# Altium PCB final.PcbDoc (part 1 of 2) (continued)
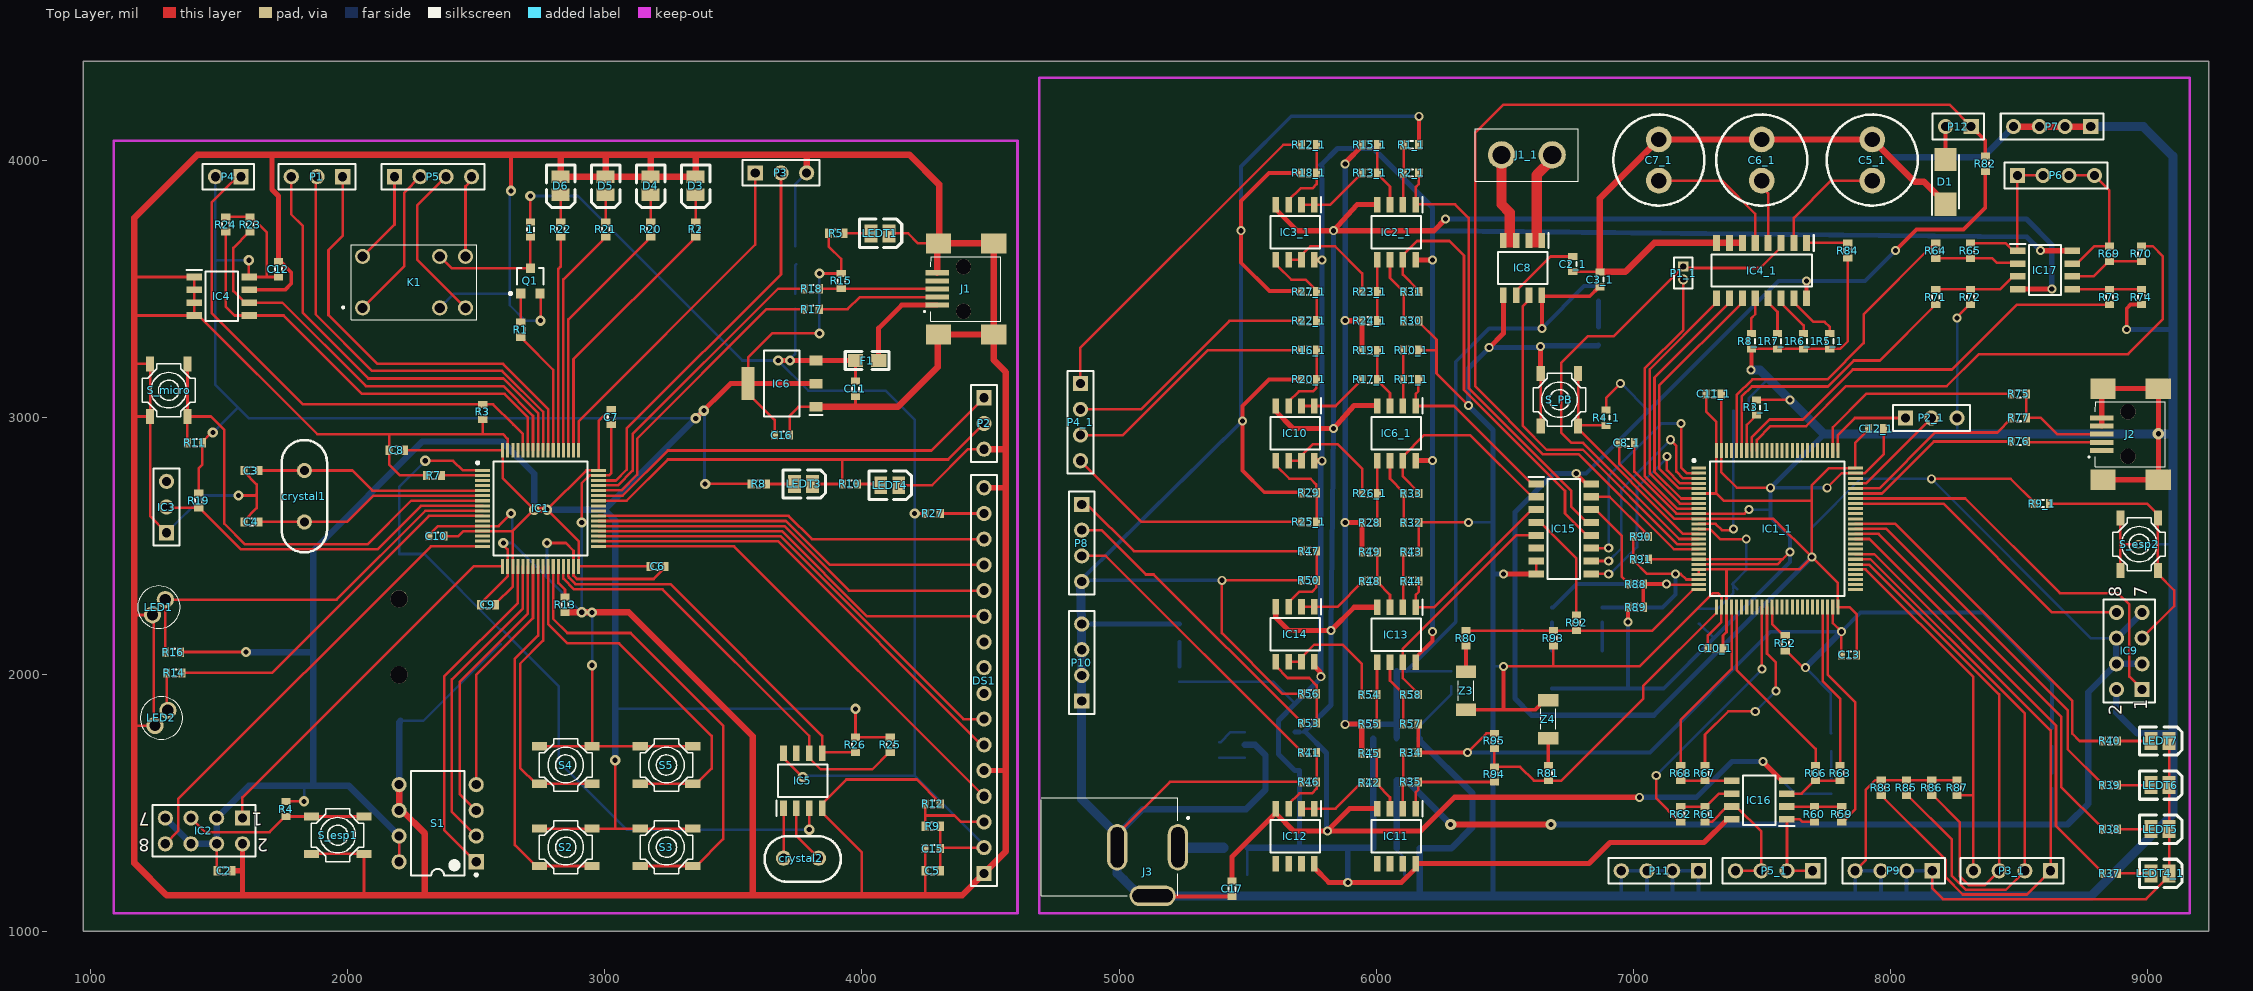
[diagram p0: Top Layer view]
## Components (designator, comment, footprint, x,y, rotation, side; value= is the part's Value field where it differs from the comment) (continued)
S_esp2 "SW-PB" button 8965,2505.94 r270 top
S_micro "SW-PB" button 1300,3105 r270 top
S_PB "SW-PB" button 6709.9,3067.89 r270 top
Z1 "diode" TZMC4V7GS08 6685,2017.97 r90 bottom
Z2 "diode" TZMC4V7GS08 6880,2017.97 r90 bottom
Z3 "diode" TZMC4V7GS08 6350,1935 r90 top
Z4 "diode" TZMC4V7GS08 6670,1825 r270 top

## Footprints (in the part's own frame and the unit in brackets; to place one, negate y for a bottom-side part, rotate by r counter-clockwise, add the part's x,y. Pads: shape width x height; smd on the part's side, far side on the other; paste and mask are expansions set on the pad)
0805 [mil]
  rect 60x50 smd: 1(-45,0) 2(45,0)
  silkscreen extent -85,-35 85,35
2894 [mm]
  rect 5x2.7 smd: 1(-8,0) 2(8.5,0)
  round 1.7 hole 1.7: 9(-3.5,0) 10(4,0)
3518 [mil]
  rect 50x70 smd: 1(35,0) 2(-35,0)
  silkscreen extent -80,-55 85,55
161320 [mm]
  oval 2.032x4.572 hole 4 slot 1.3 at 0 deg: 1(4.3,0.8) 3(-1.7,0.8)
  oval 4.572x2.032 hole 1.3 slot 4 at 0 deg: 2(1.8,-4)
  silkscreen extent -9.2,-4 5.4,5.7
0474910001 [mm]
  rect 2.3x0.5 smd: 1(-0.5,0) 2(-0.5,-0.8) 3(-0.5,-1.6) 4(-0.5,-2.4) 5(-0.5,-3.2)
  round 1.524 hole 1.524: 7(-3.1,0.6) 8(-3.1,-3.8)
  rect 2.5x2 smd: MP1(-6.1,2.9) MP2(-0.625,2.9) MP3(-0.625,-6.1) MP4(-6.1,-6.1)
  silkscreen extent -6.8,-4.8 0.8,1.6
button [mm]
  rect 1.5x0.8 smd: 1(-2.587,1.939) 1(2.613,1.939) 2(-2.587,-1.761) 2(2.613,-1.761)
  silkscreen extent -2.59,-2.51 2.61,2.69, body extent -2.59,-2.51 2.64,2.69, height 2.2
"Deep Cap gerdaloo" [mil]
  round 100 hole 60: 1(0,0) 2(160,0)
  silkscreen extent -97,-177 257,177
"deep crystal" [mm]
  round 1.5 hole 0.9: 1(-0.15,-2.465) 2(-0.15,2.615)
  silkscreen extent -2.4,-5.47 2.1,5.62, body extent -2.44,-5.46 2.16,5.54, height 3.8
"Deep Crystal small" [mm]
  round 1.5 hole 0.9: 1(-0.025,-0.025) 2(-0.025,3.425)
  silkscreen extent -2.35,-2.23 2.15,5.3, body extent -2.4,-1.96 2.2,5.01, height 0.25
DIOM5327X242N [mm]
  rect 2.3x2.15 smd: 1(-2.2,0) 2(2.2,0)
  silkscreen extent -3.27,-1.34 2.65,1.34, body extent -2.65,-1.34 2.65,1.34, height 2.42
DIP-8 [mm] "DIP; 8 Leads; Row Spacing 7.62 mm; Pitch 2.54 mm"
  rect 1.5x1.5 hole 0.9: 1(-3.81,3.81)
  round 1.5 hole 0.9: 2(-3.81,1.27) 3(-3.81,-1.27) 4(-3.81,-3.81) 5(3.81,-3.81) 6(3.81,-1.27) 7(3.81,1.27) 8(3.81,3.81)
  silkscreen extent -3.94,-5.15 2.65,5.23, body extent -3.6,-5.15 3.6,5.15, height 5.08
HDR1X2 [mm] "Connector; Header; 2 Position"
  rect 1.5x1.5 hole 0.9: 1(0,0)
  round 1.5 hole 0.9: 2(2.54,0)
  silkscreen extent -1.27,-1.27 3.81,1.27
HDR1X3 [mm] "Connector; Header; 3 Position"
  rect 1.5x1.5 hole 0.9: 1(0,0)
  round 1.5 hole 0.9: 2(2.54,0) 3(5.08,0)
  silkscreen extent -1.27,-1.27 6.35,1.27
HDR1X4 [mm] "Connector; Header; 4 Position"
  rect 1.5x1.5 hole 0.9: 1(0,0)
  round 1.5 hole 0.9: 2(2.54,0) 3(5.08,0) 4(7.62,0)
  silkscreen extent -1.27,-1.27 8.89,1.27
HDR1X16 [mm] "Connector; Header; 16 Position"
  rect 1.5x1.5 hole 0.9: 1(0,0)
  round 1.5 hole 0.9: 2(2.54,0) 3(5.08,0) 4(7.62,0) 5(10.16,0) 6(12.7,0) 7(15.24,0) 8(17.78,0) 9(20.32,0) 10(22.86,0) 11(25.4,0) 12(27.94,0) 13(30.48,0) 14(33.02,0) 15(35.56,0) 16(38.1,0)
  silkscreen extent -1.27,-1.27 39.37,1.27
HDR2X4 [mm] "Connector; Header; 4x2 Position"
  rect 1.5x1.5 hole 0.9: 1(0,0)
  round 1.5 hole 0.9: 2(0,2.54) 3(2.54,0) 4(2.54,2.54) 5(5.08,0) 6(5.08,2.54) 7(7.62,0) 8(7.62,2.54)
  silkscreen extent -1.27,-1.27 8.89,3.81
J1-0603 [mm] "Chip Resistor, Body 1.6x0.8mm, IPC High Density"
  rect 0.7x0.9 smd: 1(-0.75,0) 2(0.75,0)
  silkscreen extent -0.2,-0.35 0.2,0.35, body extent -0.85,-0.48 0.85,0.48, height 0.9
j1-0603 [mm] "Chip Resistor, Body 1.6x0.8mm, IPC High Density"
  rect 0.7x0.9 smd: 1(-0.75,0) 2(0.75,0)
  silkscreen extent -0.2,-0.35 0.2,0.35, body extent -0.85,-0.48 0.85,0.48, height 0.9
MHDR1X2 [mm] "Connector; Header; 2 Position"
  rect 1x1 hole 0.6: 1(0,0)
  round 1 hole 0.6: 2(1.27,0)
  silkscreen extent -0.9,-0.9 2.17,0.9
OP505A [mm]
  round 1.7 hole 1.11: 1(0,0) 2(1.5,-1.27)
  silkscreen extent -1.34,-2.73 2.85,1.46, body extent -1.35,-2.73 2.85,1.46, height 5.94
QFP50P1200X1200X160-64N [mm]
  rect 1.475x0.3 smd: 1(-5.738,3.75) 2(-5.738,3.25) 3(-5.738,2.75) 4(-5.738,2.25) 5(-5.738,1.75) 6(-5.738,1.25) 7(-5.738,0.75) 8(-5.738,0.25) 9(-5.738,-0.25) 10(-5.738,-0.75) 11(-5.738,-1.25) 12(-5.738,-1.75) 13(-5.738,-2.25) 14(-5.738,-2.75) 15(-5.738,-3.25) 16(-5.738,-3.75) 33(5.738,-3.75) 34(5.738,-3.25) 35(5.738,-2.75) 36(5.738,-2.25) 37(5.738,-1.75) 38(5.738,-1.25) 39(5.738,-0.75) 40(5.738,-0.25) 41(5.738,0.25) 42(5.738,0.75) 43(5.738,1.25) 44(5.738,1.75) 45(5.738,2.25) 46(5.738,2.75) 47(5.738,3.25) 48(5.738,3.75)
  rect 0.3x1.475 smd: 17(-3.75,-5.738) 18(-3.25,-5.738) 19(-2.75,-5.738) 20(-2.25,-5.738) 21(-1.75,-5.738) 22(-1.25,-5.738) 23(-0.75,-5.738) 24(-0.25,-5.738) 25(0.25,-5.738) 26(0.75,-5.738) 27(1.25,-5.738) 28(1.75,-5.738) 29(2.25,-5.738) 30(2.75,-5.738) 31(3.25,-5.738) 32(3.75,-5.738) 49(3.75,5.738) 50(3.25,5.738) 51(2.75,5.738) 52(2.25,5.738) 53(1.75,5.738) 54(1.25,5.738) 55(0.75,5.738) 56(0.25,5.738) 57(-0.25,5.738) 58(-0.75,5.738) 59(-1.25,5.738) 60(-1.75,5.738) 61(-2.25,5.738) 62(-2.75,5.738) 63(-3.25,5.738) 64(-3.75,5.738)
  silkscreen extent -6.35,-4.65 4.65,4.65, body extent -6,-6 6,6, height 1.6
QFP50P1600X1600X160-100N [mm]
  rect 1.475x0.3 smd: 1(-7.738,6) 2(-7.738,5.5) 3(-7.738,5) 4(-7.738,4.5) 5(-7.738,4) 6(-7.738,3.5) 7(-7.738,3) 8(-7.738,2.5) 9(-7.738,2) 10(-7.738,1.5) 11(-7.738,1) 12(-7.738,0.5) 13(-7.738,0) 14(-7.738,-0.5) 15(-7.738,-1) 16(-7.738,-1.5) 17(-7.738,-2) 18(-7.738,-2.5) 19(-7.738,-3) 20(-7.738,-3.5) 21(-7.738,-4) 22(-7.738,-4.5) 23(-7.738,-5) 24(-7.738,-5.5) 25(-7.738,-6) 51(7.738,-6) 52(7.738,-5.5) 53(7.738,-5) 54(7.738,-4.5) 55(7.738,-4) 56(7.738,-3.5) 57(7.738,-3) 58(7.738,-2.5) 59(7.738,-2) 60(7.738,-1.5) 61(7.738,-1) 62(7.738,-0.5) 63(7.738,0) 64(7.738,0.5) 65(7.738,1) 66(7.738,1.5) 67(7.738,2) 68(7.738,2.5) 69(7.738,3) 70(7.738,3.5) 71(7.738,4) 72(7.738,4.5) 73(7.738,5) 74(7.738,5.5) 75(7.738,6)
  rect 0.3x1.475 smd: 26(-6,-7.738) 27(-5.5,-7.738) 28(-5,-7.738) 29(-4.5,-7.738) 30(-4,-7.738) 31(-3.5,-7.738) 32(-3,-7.738) 33(-2.5,-7.738) 34(-2,-7.738) 35(-1.5,-7.738) 36(-1,-7.738) 37(-0.5,-7.738) 38(0,-7.738) 39(0.5,-7.738) 40(1,-7.738) 41(1.5,-7.738) 42(2,-7.738) 43(2.5,-7.738) 44(3,-7.738) 45(3.5,-7.738) 46(4,-7.738) 47(4.5,-7.738) 48(5,-7.738) 49(5.5,-7.738) 50(6,-7.738) 76(6,7.738) 77(5.5,7.738) 78(5,7.738) 79(4.5,7.738) 80(4,7.738) 81(3.5,7.738) 82(3,7.738) 83(2.5,7.738) 84(2,7.738) 85(1.5,7.738) 86(1,7.738) 87(0.5,7.738) 88(0,7.738) 89(-0.5,7.738) 90(-1,7.738) 91(-1.5,7.738) 92(-2,7.738) 93(-2.5,7.738) 94(-3,7.738) 95(-3.5,7.738) 96(-4,7.738) 97(-4.5,7.738) 98(-5,7.738) 99(-5.5,7.738) 100(-6,7.738)
  silkscreen extent -8.35,-6.65 6.65,6.87, body extent -8,-8 8,8, height 1.6
"smd CRYSTAL" [mm]
  rect 1.3x2.3 smd: 1(2.25,0) 2(2.25,12.4)
  silkscreen extent 0,-0.03 4.5,12.4
SOIC127P600X175-8N [mm]
  rect 1.525x0.65 smd: 1(-2.712,1.905) 2(-2.712,0.635) 3(-2.712,-0.635) 4(-2.712,-1.905) 5(2.712,-1.905) 6(2.712,-0.635) 7(2.712,0.635) 8(2.712,1.905)
  silkscreen extent -3.47,-2.45 1.6,2.58, body extent -3,-2.45 3,2.45, height 1.75
SOIC127P600X175-16N [mm]
  rect 1.55x0.7 smd: 1(-2.725,4.445) 2(-2.725,3.175) 3(-2.725,1.905) 4(-2.725,0.635) 5(-2.725,-0.635) 6(-2.725,-1.905) 7(-2.725,-3.175) 8(-2.725,-4.445) 9(2.725,-4.445) 10(2.725,-3.175) 11(2.725,-1.905) 12(2.725,-0.635) 13(2.725,0.635) 14(2.725,1.905) 15(2.725,3.175) 16(2.725,4.445)
  silkscreen extent -3.5,-4.95 1.6,5.15, body extent -3,-4.95 3,4.95, height 1.75
SOT229P700X180-4N [mm]
  rect 1.3x0.95 smd: 1(-3.35,2.29) 2(-3.35,0) 3(-3.35,-2.29)
  rect 1.3x3.25 smd: 4(3.35,0)
  silkscreen extent -4,-3.25 1.75,3.25, body extent -3.5,-3.25 3.5,3.25, height 1.8
SOT-23 [mm] "SOT-23; 3 Leads; Body 3.0 x 2.6 mm, inc. leads (LxW max)"
  rect 0.9x0.95 smd: 1(0,1.25) 2(-0.95,-1.25) 3(0.95,-1.25)
  silkscreen extent -2.07,-1.37 1.3,1.25, body extent -1.33,-0.38 1.33,1.25, height 2
TR5VMSZ [mm]
  round 1.5 hole 1: 1(-4.63,-2.54) 2(2.99,-2.54) 3(5.53,-2.54) 4(5.53,2.54) 5(2.99,2.54) 6(-4.63,2.54)
  silkscreen extent -6.65,-3.7 6.65,3.7, body extent -5.75,-3.7 6.65,3.7, height 9.1
TZMC4V7GS08 [mm]
  rect 1.25x2 smd: 1(-1.875,0) 2(1.875,0)
  silkscreen extent -1,-0.75 1,0.75
XT30PB [mm]
  round 2.7 hole 1.8: 1(0,0) 2(0,-5)
  silkscreen extent -2.6,-7.6 2.6,2.6, body extent -2.6,-7.6 2.6,2.6, height 10.66

## Part data
1 R1: "Semiconductor Resistor", LatestRevisionDate=17-Jul-2002, LatestRevisionNote="Re-released for DXP Platform.", PackageReference=AXIAL-0.5, Published=8-Jun-2000, Publisher="Altium Limited"
C1 C2 C3 C4 C4_1 C5 C6 C7 C8 C8_1 C9 C10 C10_1 C11 C11_1 C12 C12_1 C13 C14 C14_1 C15 C15_1 C16 C18: "Ceramic Chip Capacitor - Standard", PackageDocument=Mar-2001, Code_IPC="1608 [0603]", Code_JEITA=0603, ComponentLink1Description="Manufacturer Link", ComponentLink1URL=http://www.kemet.com/, ComponentLink2Description=Datasheet, ComponentLink2URL=http://www.kemet.com/kemet/web/homepage/kechome.nsf/vapubfilesname/F3102TA.pdf/$file/F3102TA.pdf, DatasheetDocument=Mar-2001, LatestRevisionDate=19-Mar-2004, LatestRevisionNote="Silkscreen size reduced.", Note="Footprint corresponds to dimensions for bulk cassette packaging. This case size has tightened tolerances.", PackageReference=0603, Published=17-Jul-2002, Publisher="Altium Limited"
C2_1 C3_1 C5_1 C6_1 C7_1 C16_1 C17: "Capacitor", LatestRevisionDate=17-Jul-2002, LatestRevisionNote="Re-released for DXP Platform.", PackageDescription="Radial Cap, Thru-Hole; 2 Leads; 0.3 in Pin Spacing", PackageReference=RAD-0.3, Published=8-Jun-2000, Publisher="Altium Limited"
crystal1 crystal1_1 crystal2: library part "deep crystal"
D1: "Diode", Manufacturer_Name=Shikues, Datasheet Link=https://datasheet.lcsc.com/szlcsc/SK-1N4007_C126233.pdf, Height=2.42mm, Manufacturer_Part_Number=1N4007
D3 D4 D5 D6: "Typical BLUE SiC LED", DatasheetVersion=16-Apr-2002, LatestRevisionDate=17-Dec-2003, LatestRevisionNote="PCB Footprint replaced.", PackageDescription="SM LED; 2 C-Bend Leads; Body 3.5 x 2.8 x 1.9 mm, inc leads (LxWxH typ)", PackageReference=3.5X2.8X1.9, PackageVersion=16-Apr-2002, Published=8-Jun-2000, Publisher="Altium Limited"
DS1: "Display", Manufacturer_Name=Displaytech, Datasheet Link=https://docs-emea.rs-online.com/webdocs/06dd/0900766b806dda14.pdf, Height=11mm, Manufacturer_Part_Number=161A-BA-BC
F1 F1_1: "Fuse", LatestRevisionDate=17-Jul-2002, LatestRevisionNote="Re-released for DXP Platform.", PackageDescription="Thru-Hole; 2 Leads", PackageReference=PIN-W2/E2.8, Published=8-Jun-2000, Publisher="Altium Limited"
H1: "Hardware", Manufacturer_Name="Keystone Electronics", Mouser Part Number=534-2894, Datasheet Link=https://www.keyelco.com/product-pdf.cfm?p=14467, Height=2.42mm, Manufacturer_Part_Number=2894, Mouser Price/Stock=https://www.mouser.co.uk/ProductDetail/Keystone-Electronics/2894?qs=u16ybLDytRb94n%2F3dXyVLQ%3D%3D
IC1: "Integrated Circuit", Manufacturer_Name=STMicroelectronics, Mouser Part Number=511-STM32F103RCT6, Arrow Part Number=STM32F103RCT6, Arrow Price/Stock=https://www.arrow.com/en/products/stm32f103rct6/stmicroelectronics, Datasheet Link=http://www.st.com/st-web-ui/static/active/en/resource/technical/document/datasheet/CD00191185.pdf, Height=1.6mm, Manufacturer_Part_Number=STM32F103RCT6, Mouser Price/Stock=https://www.mouser.co.uk/ProductDetail/STMicroelectronics/STM32F103RCT6?qs=%252BB84zevwoRA6TYzZIgOIoA%3D%3D
IC1_1: "Integrated Circuit", Manufacturer_Name=STMicroelectronics, Mouser Part Number=511-STM32F103VCT6, Arrow Part Number=STM32F103VCT6, Arrow Price/Stock=https://www.arrow.com/en/products/stm32f103vct6/stmicroelectronics, Datasheet Link=https://www.st.com/resource/en/datasheet/stm32f103rc.pdf, Height=1.6mm, Manufacturer_Part_Number=STM32F103VCT6, Mouser Price/Stock=https://www.mouser.co.uk/ProductDetail/STMicroelectronics/STM32F103VCT6?qs=%252BB84zevwoRDW1rpMEiZMCg%3D%3D
IC2 IC9: "Integrated Circuit", Manufacturer_Name=Ai-Thinker, Datasheet Link=http://wiki.ai-thinker.com/_media/esp8266/esp8266_series_modules_user_manual_v1.1.pdf, Height=2mm, Manufacturer_Part_Number=ESP-01
IC2_1 IC3_1 IC6_1 IC10 IC11 IC12 IC13 IC14 IC16 IC17: "Integrated Circuit", Manufacturer_Name="Texas Instruments", Mouser Part Number=595-LM2904D, Arrow Part Number=LM2904D, Arrow Price/Stock=https://www.arrow.com/en/products/lm2904d/texas-instruments, Datasheet Link=http://www.ti.com/lit/ds/symlink/lm2904.pdf, Height=1.75mm, Manufacturer_Part_Number=LM2904D, Mouser Price/Stock=https://www.mouser.co.uk/ProductDetail/Texas-Instruments/LM2904D?qs=3pnr37ZAbK8kLA26cC%252BYEg%3D%3D
IC3: "Integrated Circuit", Arrow Part Number=LM335AZ/NOPB, Manufacturer_Name="Texas Instruments", Mouser Part Number=926-LM335AZ/NOPB, Arrow Price/Stock=https://www.arrow.com/en/products/lm335aznopb/texas-instruments, Datasheet Link=http://www.ti.com/general/docs/suppproductinfo.tsp?distId=10&gotoUrl=http%3A%2F%2Fwww.ti.com%2Flit%2Fgpn%2Flm135, Height=3.25mm, Manufacturer_Part_Number=LM335AZ/NOPB, Mouser Price/Stock=https://www.mouser.co.uk/ProductDetail/Texas-Instruments/LM335AZ-NOPB?qs=X1J7HmVL2ZHLFIuAm4Dkiw%3D%3D
IC4: "Integrated Circuit", Manufacturer_Name=Microchip, Mouser Part Number=556-AT24C04C-SSHM-T, Arrow Part Number=AT24C04C-SSHM-T, Arrow Price/Stock=https://www.arrow.com/en/products/at24c04c-sshm-t/microchip-technology, Datasheet Link=https://datasheet.lcsc.com/szlcsc/Microchip-Tech-AT24C04C-SSHM-T_C6205.pdf, Height=1.75mm, Manufacturer_Part_Number=AT24C04C-SSHM-T, Mouser Price/Stock=https://www.mouser.co.uk/ProductDetail/Microchip-Technology-Atmel/AT24C04C-SSHM-T?qs=rNaVQffb%252BtcPg4SMgvVriA%3D%3D
IC4_1: "Integrated Circuit", Manufacturer_Name=Nexperia, Mouser Part Number=N/A, Datasheet Link=https://assets.nexperia.com/documents/data-sheet/74HC_HCT4051.pdf, Height=1.75mm, Manufacturer_Part_Number=74HC4051D, Mouser Price/Stock=https://www.mouser.com/Search/Refine.aspx?Keyword=N%2FA
IC5: "Integrated Circuit", Manufacturer_Name="Maxim Integrated", Mouser Part Number=700-DS1307Z, Datasheet Link=http://datasheets.maximintegrated.com/en/ds/DS1307.pdf, Height=1.75mm, Manufacturer_Part_Number=DS1307Z+, Mouser Price/Stock=https://www.mouser.co.uk/ProductDetail/Maxim-Integrated/DS1307Z%2b?qs=0Y9aZN%252BMVCUvNDMAh9aCtw%3D%3D
IC5_1 IC6 IC7: library part AMS1117-1.5, "Integrated Circuit", Manufacturer_Name=ams, Datasheet Link=http://www.advanced-monolithic.com/pdf/ds1117.pdf, Height=1.8mm, Manufacturer_Part_Number=AMS1117-1.5
IC8: "Integrated Circuit", Manufacturer_Name="Sharp Microelectronics", Datasheet Link=https://www.allegromicro.com/~/media/Files/Datasheets/ACS712-Datasheet.ashx, Height=1.75mm, Manufacturer_Part_Number=ACS712ELCTR-05B-T
IC15: "Integrated Circuit", Manufacturer_Name=Toshiba, Mouser Part Number=757-74HC4053D, Datasheet Link=http://toshiba.semicon-storage.com/info/docget.jsp?did=54976&prodName=74HC4053D, Height=1.75mm, Manufacturer_Part_Number=74HC4053D, Mouser Price/Stock=https://www.mouser.co.uk/ProductDetail/Toshiba/74HC4053D/?qs=xhbEVWpZdWclq3MrSw2ZoQ%3D%3D
IC18: "Integrated Circuit", Manufacturer_Name="Renesas Electronics", Mouser Part Number=968-ICL7660ACBAZA, Datasheet Link=https://www.renesas.com/en-us/www/doc/datasheet/icl7660s-a.pdf, Height=1.75mm, Manufacturer_Part_Number=ICL7660ACBAZA, Mouser Price/Stock=https://www.mouser.co.uk/ProductDetail/Renesas-Intersil/ICL7660ACBAZA?qs=9fLuogzTs8LeW4me0pfrFQ%3D%3D
J1 J2: library part 0474910001, "Connector", Manufacturer_Name=Molex, Arrow Part Number=0474910001, Arrow Price/Stock=https://www.arrow.com/en/products/0474910001/molex, Datasheet Link=https://www.molex.com/pdm_docs/sd/474910001_sd.pdf, Height=2.94mm, Manufacturer_Part_Number=0474910001
J1_1: "Connector", Manufacturer_Name=Amass, Datasheet Link=https://www.tme.eu/Document/4acc913878197f8c2e30d4b8cdc47230/XT30UPB%20SPEC.pdf, Height=10.7mm, Manufacturer_Part_Number=XT30PB
J3: "Connector", Manufacturer_Name=LUMBERG, Manufacturer_Part_Number="1613 20", Datasheet Link=http://www.farnell.com/datasheets/2349122.pdf, Height=7mm
K1: "Relay or Contactor", Manufacturer_Name="TIANBO Electronics", Manufacturer_Part_Number="TR5V M-S-Z", Datasheet Link=http://www.datasheetspdf.com/pdf/702912/TIANBOGANGLIANELECTRONICS/TR5V/1, Height=9mm
LED1 LED2: "LED (Multiple)", Manufacturer_Name="OPTEK TECHNOLOGY", Mouser Part Number=828-OP505A, Arrow Part Number=OP505A, Arrow Price/Stock=https://www.arrow.com/en/products/op505a/optek-technology, Datasheet Link=http://docs-emea.rs-online.com/webdocs/13ff/0900766b813ff04e.pdf, Height=5.84mm, Manufacturer_Part_Number=OP505A, Mouser Price/Stock=https://www.mouser.co.uk/ProductDetail/Optek-TT-Electronics/OP505A?qs=MYMjFsmMg9aCx6EE%252BoFElA%3D%3D
LEDT1 LEDT1_1 LEDT2 LEDT2_1 LEDT3 LEDT3_1 LEDT4 LEDT4_1 LEDT5 LEDT6 LEDT7 LEDT8: library part LED3, "Typical BLUE SiC LED", PackageDocument=16-Apr-2002, DatasheetDocument=16-Apr-2002, LatestRevisionDate=17-Dec-2003, LatestRevisionNote="PCB Footprint replaced.", PackageReference=3.5X2.8X1.9, Published=8-Jun-2000, Publisher="Altium Limited"
P1 P2 P2_1 P3: "Header, 3-Pin", LatestRevisionDate=17-Jul-2002, LatestRevisionNote="Re-released for DXP Platform.", Publisher="Altium Limited"
P1_1 P4 P12: "Header, 2-Pin", LatestRevisionDate=17-Jul-2002, LatestRevisionNote="Re-released for DXP Platform.", Publisher="Altium Limited"
P3_1 P4_1 P5 P5_1 P6 P7 P8 P9 P10 P11: "Header, 4-Pin", LatestRevisionDate=17-Jul-2002, LatestRevisionNote="Re-released for DXP Platform.", Publisher="Altium Limited"
Q1: "NPN Bipolar Transistor", Code_JEDEC=TO-226-AA, LatestRevisionDate=17-Jul-2002, LatestRevisionNote="Re-released for DXP Platform.", PackageReference=TO-226, Published=8-Jun-2000, Publisher="Altium Limited"
R1_1 R2 R2_1 R3 R3_1 R4 R4_1 R5 R5_1 R6 R6_1 R7 R7_1 R8 R8_1 R9 R9_1 R10 R10_1 R11 R11_1 R12 R12_1 R13 R13_1 R14 R14_1 R15 R15_1 R16 R16_1 R17 R17_1 R18 R18_1 R19 R19_1 R20 R20_1 R21 R21_1 R22 R22_1 R23 R23_1 R24 R24_1 R25 R25_1 R26 R26_1 R27 R27_1 R28 R29 R30 R31 R32 R33 R34 R35 R36 R37 R38 R39 R40 R41 R42 R43 R44 R45 R46 R47 R48 R49 R50 R51 R52 R53 R54 R55 R56 R57 R58 R59 R60 R61 R62 R63 R64 R65 R66 R67 R68 R69 R70 R71 R72 R73 R74 R75 R76 R77 R78 R79 R80 R81 R82 R83 R84 R85 R86 R87 R88 R89 R90 R91 R92 R93 R94 R95: "Resistor", LatestRevisionDate=17-Jul-2002, LatestRevisionNote="Re-released for DXP Platform.", PackageReference=AXIAL-0.3, Published=8-Jun-2000, Publisher="Altium Limited"
  R1_1 R2_1 R3 R3_1 R4 R4_1 R5_1 R6_1 R7 R7_1 R8_1 R9 R9_1 R10_1 R11 R11_1 R12 R12_1 R13 R13_1 R14 R15 R15_1 R16 R16_1 R17 R17_1 R18 R18_1 R19 R19_1 R20_1 R22_1 R23 R23_1 R24 R24_1 R25 R25_1 R26 R26_1 R27 R27_1 R28 R29 R30 R31 R32 R33 R34 R35 R41 R42 R43 R44 R45 R46 R47 R48 R49 R50 R52 R53 R54 R55 R56 R57 R58 R59 R60 R61 R62 R63 R64 R65 R66 R67 R68 R69 R70 R71 R72 R73 R74 R75 R76 R77 R78 R79 R80 R81 R82 R83 R84 R85 R86 R87 R88 R89 R90 R91 R92 R93 R94 R95: PackageDescription="Axial Device, Thru-Hole; 2 Leads; 0.3 in Pin Spacing"
S1: "DIP Switch", LatestRevisionDate=17-Jul-2002, LatestRevisionNote="Re-released for DXP Platform.", PackageReference=DIP-8, Published=24-Mar-1999, Publisher="Altium Limited"
S2 S3 S4 S5 S_esp1 S_esp2 S_micro S_PB: "Switch", LatestRevisionDate=17-Jul-2002, LatestRevisionNote="Re-released for DXP Platform.", PackageReference=SPST-2, Published=24-Mar-1999, Publisher="Altium Limited"
  S2 S3 S4 S5: PackageDescription="Switch; 2 Leads"
Z1 Z2 Z3 Z4: library part TZMC4V7-GS08, "Zener Diode", Manufacturer_Name=Vishay, Mouser Part Number=78-TZMC4.7, Arrow Part Number=TZMC4V7-GS08, Arrow Price/Stock=https://www.arrow.com/en/products/tzmc4v7-gs08/vishay, Datasheet Link=https://www.vishay.com/docs/84122/tzm.pdf, Manufacturer_Part_Number=TZMC4V7-GS08, Mouser Price/Stock=https://www.mouser.com/Search/Refine.aspx?Keyword=78-TZMC4.7

## Via types
v1: diameter 35, hole 20, Top Layer to Bottom Layer, 48 vias
v2: diameter 40, hole 20, Top Layer to Bottom Layer, 30 vias
v3: diameter 35.43, hole 19.68, Top Layer to Bottom Layer, 16 vias
v4: diameter 43.31, hole 19.68, Top Layer to Bottom Layer, 2 vias
v5: diameter 45, hole 19.68, Top Layer to Bottom Layer, 1 vias

## Nets (pads, with @x,y where several pads share a name; then routed paths per layer and width w, separated by ;. In a path a pad name is that pad's centre, name@x,y a point inside that pad or via, vN(x,y) a via of type N, cw(c..) or ccw(c..) an arc to the next point about the centre after c; other vN are vias at no path point)
pads on no net: 1.1 1.2 C1.1 C1.2 C2.1 C2.2 C2_1.1 C2_1.2 C3.1 C3.2 C3_1.1 C3_1.2 C4.1 C4.2 C4_1.1 C4_1.2 C5.1 C5.2 C5_1.1 C5_1.2 C6.1 C6.2 C6_1.1 C6_1.2 C7.1 C7.2 C7_1.1 C7_1.2 C8.1 C8.2 C8_1.1 C8_1.2 C9.1 C9.2 C10.1 C10.2 C10_1.1 C10_1.2 C11.1 C11.2 C11_1.1 C11_1.2 C12.1 C12.2 C12_1.1 C12_1.2 C13.1 C13.2 C14.1 C14.2 C14_1.1 C14_1.2 C15.1 C15.2 C15_1.1 C15_1.2 C16.1 C16.2 C16_1.1 C16_1.2 C17.1 C17.2 C18.1 C18.2 crystal1.1 crystal1.2 crystal1_1.1 crystal1_1.2 crystal2.1 crystal2.2 D1.1 D1.2 D3.1 D3.2 D4.1 D4.2 D5.1 D5.2 D6.1 D6.2 DS1.1 DS1.2 DS1.3 DS1.4 DS1.5 DS1.6 DS1.7 DS1.8 DS1.9 DS1.10 DS1.11 DS1.12 DS1.13 DS1.14 DS1.15 DS1.16 F1.1 F1.2 F1_1.1 F1_1.2 H1.1 H1.2 H1.9 H1.10 IC1.1 IC1.2 IC1.3 IC1.4 IC1.5 IC1.6 IC1.7 IC1.8 IC1.9 IC1.10 IC1.11 IC1.12 IC1.13 IC1.14 IC1.15 IC1.16 IC1.17 IC1.18 IC1.19 IC1.20 IC1.21 IC1.22 IC1.23 IC1.24 IC1.25 IC1.26 IC1.27 IC1.28 IC1.29 IC1.30 IC1.31 IC1.32 IC1.33 IC1.34 IC1.35 IC1.36 IC1.37 IC1.38 IC1.39 IC1.40 IC1.41 IC1.42 IC1.43 IC1.44 IC1.45 IC1.46 IC1.47 IC1.48 IC1.49 IC1.50 IC1.51 IC1.52 IC1.53 IC1.54 IC1.55 IC1.56 IC1.57 IC1.58 IC1.59 IC1.60 IC1.61 IC1.62 IC1.63 IC1.64 IC1_1.1 IC1_1.2 IC1_1.3 IC1_1.4 IC1_1.5 IC1_1.6 IC1_1.7 IC1_1.8 IC1_1.9 IC1_1.10 IC1_1.11 IC1_1.12 IC1_1.13 IC1_1.14 IC1_1.15 IC1_1.16 IC1_1.17 IC1_1.18 IC1_1.19 IC1_1.20 IC1_1.21 IC1_1.22 IC1_1.23 IC1_1.24 IC1_1.25 IC1_1.26 IC1_1.27 IC1_1.28 IC1_1.29 IC1_1.30 IC1_1.31 IC1_1.32 IC1_1.33 IC1_1.34 IC1_1.35 IC1_1.36 IC1_1.37 IC1_1.38 IC1_1.39 IC1_1.40 IC1_1.41 IC1_1.42 IC1_1.43 IC1_1.44 IC1_1.45 IC1_1.46 IC1_1.47 IC1_1.48 IC1_1.49 IC1_1.50 IC1_1.51 IC1_1.52 IC1_1.53 IC1_1.54 IC1_1.55 IC1_1.56 IC1_1.57 IC1_1.58 IC1_1.59 IC1_1.60 IC1_1.61 IC1_1.62 IC1_1.63 IC1_1.64 IC1_1.65 IC1_1.66 IC1_1.67 IC1_1.68 IC1_1.69 IC1_1.70 IC1_1.71 IC1_1.72 IC1_1.73 IC1_1.74 IC1_1.75 IC1_1.76 IC1_1.77 IC1_1.78 IC1_1.79 IC1_1.80 IC1_1.81 IC1_1.82 IC1_1.83 IC1_1.84 IC1_1.85 IC1_1.86 IC1_1.87 IC1_1.88 IC1_1.89 IC1_1.90 IC1_1.91 IC1_1.92 IC1_1.93 IC1_1.94 IC1_1.95 IC1_1.96 IC1_1.97 IC1_1.98 IC1_1.99 IC1_1.100 IC2.1 IC2.2 IC2.3 IC2.4 IC2.5 IC2.6 IC2.7 IC2.8 IC2_1.1 IC2_1.2 IC2_1.3 IC2_1.4 IC2_1.5 IC2_1.6 IC2_1.7 IC2_1.8 IC3.1 IC3.2 IC3.3 IC3_1.1 IC3_1.2 IC3_1.3 IC3_1.4 IC3_1.5 IC3_1.6 IC3_1.7 IC3_1.8 IC4.1 IC4.2 IC4.3 IC4.4 IC4.5 IC4.6 IC4.7 IC4.8 IC4_1.1 IC4_1.2 IC4_1.3 IC4_1.4 IC4_1.5 IC4_1.6 IC4_1.7 IC4_1.8 IC4_1.9 IC4_1.10 IC4_1.11 IC4_1.12 IC4_1.13 IC4_1.14 IC4_1.15 IC4_1.16 IC5.1 IC5.2 IC5.3 IC5.4 IC5.5 IC5.6 IC5.7 IC5.8 IC5_1.1 IC5_1.2 IC5_1.3 IC5_1.4 IC6.1 IC6.2 IC6.3 IC6.4 IC6_1.1 IC6_1.2 IC6_1.3 IC6_1.4 IC6_1.5 IC6_1.6 IC6_1.7 IC6_1.8 IC7.1 IC7.2 IC7.3 IC7.4 IC8.1 IC8.2 IC8.3 IC8.4 IC8.5 IC8.6 IC8.7 IC8.8 IC9.1 IC9.2 IC9.3 IC9.4 IC9.5 IC9.6 IC9.7 IC9.8 IC10.1 IC10.2 IC10.3 IC10.4 IC10.5 IC10.6 IC10.7 IC10.8 IC11.1 IC11.2 IC11.3 IC11.4 IC11.5 IC11.6 IC11.7 IC11.8 IC12.1 IC12.2 IC12.3 IC12.4 IC12.5 IC12.6 IC12.7 IC12.8 IC13.1 IC13.2 IC13.3 IC13.4 IC13.5 IC13.6 IC13.7 IC13.8 IC14.1 IC14.2 IC14.3 IC14.4 IC14.5 IC14.6 IC14.7 IC14.8 IC15.1 IC15.2 IC15.3 IC15.4 IC15.5 IC15.6 IC15.7 IC15.8 IC15.9 IC15.10 IC15.11 IC15.12 IC15.13 IC15.14 IC15.15 IC15.16 IC16.1 IC16.2 IC16.3 IC16.4 IC16.5 IC16.6 IC16.7 IC16.8 IC17.1 IC17.2 IC17.3 IC17.4 IC17.5 IC17.6 IC17.7 IC17.8 IC18.1 IC18.2 IC18.3 IC18.4 IC18.5 IC18.6 IC18.7 IC18.8 J1.1 J1.2 J1.3 J1.4 J1.5 J1.7 J1.8 J1.MP1 J1.MP2 J1.MP3 J1.MP4 J1_1.1 J1_1.2 J2.1 J2.2 J2.3 J2.4 J2.5 J2.7 J2.8 J2.MP1 J2.MP2 J2.MP3 J2.MP4 J3.1 J3.2 J3.3 K1.1 K1.2 K1.3 K1.4 K1.5 K1.6 LED1.1 LED1.2 LED2.1 LED2.2 LEDT1.1 LEDT1.2 LEDT1_1.1 LEDT1_1.2 LEDT2.1 LEDT2.2 LEDT2_1.1 LEDT2_1.2 LEDT3.1 LEDT3.2 LEDT3_1.1 LEDT3_1.2 LEDT4.1 LEDT4.2 LEDT4_1.1 LEDT4_1.2 LEDT5.1 LEDT5.2 LEDT6.1 LEDT6.2 LEDT7.1 LEDT7.2 LEDT8.1 LEDT8.2 P1.1 P1.2 P1.3 P1_1.1 P1_1.2 P2.1 P2.2 P2.3 P2_1.1 P2_1.2 P2_1.3 P3.1 P3.2 P3.3 P3_1.1 P3_1.2 P3_1.3 P3_1.4 P4.1 P4.2 P4_1.1 P4_1.2 P4_1.3 P4_1.4 P5.1 P5.2 P5.3 P5.4 P5_1.1 P5_1.2 P5_1.3 P5_1.4 P6.1 P6.2 P6.3 P6.4 P7.1 P7.2 P7.3 P7.4 P8.1 P8.2 P8.3 P8.4 P9.1 P9.2 P9.3 P9.4 P10.1 P10.2 P10.3 P10.4 P11.1 P11.2 P11.3 P11.4 P12.1 P12.2 Q1.1 Q1.2 Q1.3 R1.1 R1.2 R1_1.1 R1_1.2 R2.1 R2.2 R2_1.1 R2_1.2 R3.1 R3.2 R3_1.1 R3_1.2 R4.1 R4.2 R4_1.1 R4_1.2 R5.1 R5.2 R5_1.1 R5_1.2 R6.1 R6.2 R6_1.1 R6_1.2 R7.1 R7.2 R7_1.1 R7_1.2 R8.1 R8.2 R8_1.1 R8_1.2 R9.1 R9.2 R9_1.1 R9_1.2 R10.1 R10.2 R10_1.1 R10_1.2 R11.1 R11.2 R11_1.1 R11_1.2 R12.1 R12.2 R12_1.1 R12_1.2 R13.1 R13.2 R13_1.1 R13_1.2 R14.1 R14.2 R14_1.1 R14_1.2 R15.1 R15.2 R15_1.1 R15_1.2 R16.1 R16.2 R16_1.1 R16_1.2 R17.1 R17.2 R17_1.1 R17_1.2 R18.1 R18.2 R18_1.1 R18_1.2 R19.1 R19.2 R19_1.1 R19_1.2 R20.1 R20.2 R20_1.1 R20_1.2 R21.1 R21.2 R21_1.1 R21_1.2 R22.1 R22.2 R22_1.1 R22_1.2 R23.1 R23.2 R23_1.1 R23_1.2 R24.1 R24.2 R24_1.1 R24_1.2 R25.1 R25.2 R25_1.1 R25_1.2 R26.1 R26.2 R26_1.1 R26_1.2 R27.1 R27.2 R27_1.1 R27_1.2 R28.1 R28.2 R29.1 R29.2 R30.1 R30.2 R31.1 R31.2 R32.1 R32.2 R33.1 R33.2 R34.1 R34.2 R35.1 R35.2 R36.1 R36.2 R37.1 R37.2 R38.1 R38.2 R39.1 R39.2 R40.1 R40.2 R41.1 R41.2 R42.1 R42.2 R43.1 R43.2 R44.1 R44.2 R45.1 R45.2 R46.1 R46.2 R47.1 R47.2 R48.1 R48.2 R49.1 R49.2 R50.1 R50.2 R51.1 R51.2 R52.1 R52.2 R53.1 R53.2 R54.1 R54.2 R55.1 R55.2 R56.1 R56.2 R57.1 R57.2 R58.1 R58.2 R59.1 R59.2 R60.1 R60.2 R61.1 R61.2 R62.1 R62.2 R63.1 R63.2 R64.1 R64.2 R65.1 R65.2 R66.1 R66.2 R67.1 R67.2 R68.1 R68.2 R69.1 R69.2 R70.1 R70.2 R71.1 R71.2 R72.1 R72.2 R73.1 R73.2 R74.1 R74.2 R75.1 R75.2 R76.1 R76.2 R77.1 R77.2 R78.1 R78.2 R79.1 R79.2 R80.1 R80.2 R81.1 R81.2 R82.1 R82.2 R83.1 R83.2 R84.1 R84.2 R85.1 R85.2 R86.1 R86.2 R87.1 R87.2 R88.1 R88.2 R89.1 R89.2 R90.1 R90.2 R91.1 R91.2 R92.1 R92.2 R93.1 R93.2 R94.1 R94.2 R95.1 R95.2 S1.1 S1.2 S1.3 S1.4 S1.5 S1.6 S1.7 S1.8 S2.1 S2.2 S3.1 S3.2 S4.1 S4.2 S5.1 S5.2 S_esp1.1 S_esp1.2 S_esp2.1 S_esp2.2 S_micro.1 S_micro.2 S_PB.1 S_PB.2 Z1.1 Z1.2 Z2.1 Z2.2 Z3.1 Z3.2 Z4.1 Z4.2